# Altium PCB Mahdian_UIR.PcbDoc (part 2 of 3)
Units mm, origin at the board's own origin, x right, y up, seen from the top; angles counter-clockwise.
Board outline 116.21 x 95.88 mm, 2 copper layers (Top Layer, Bottom Layer); 77 components, 53 nets, 216 pads, 0 vias.
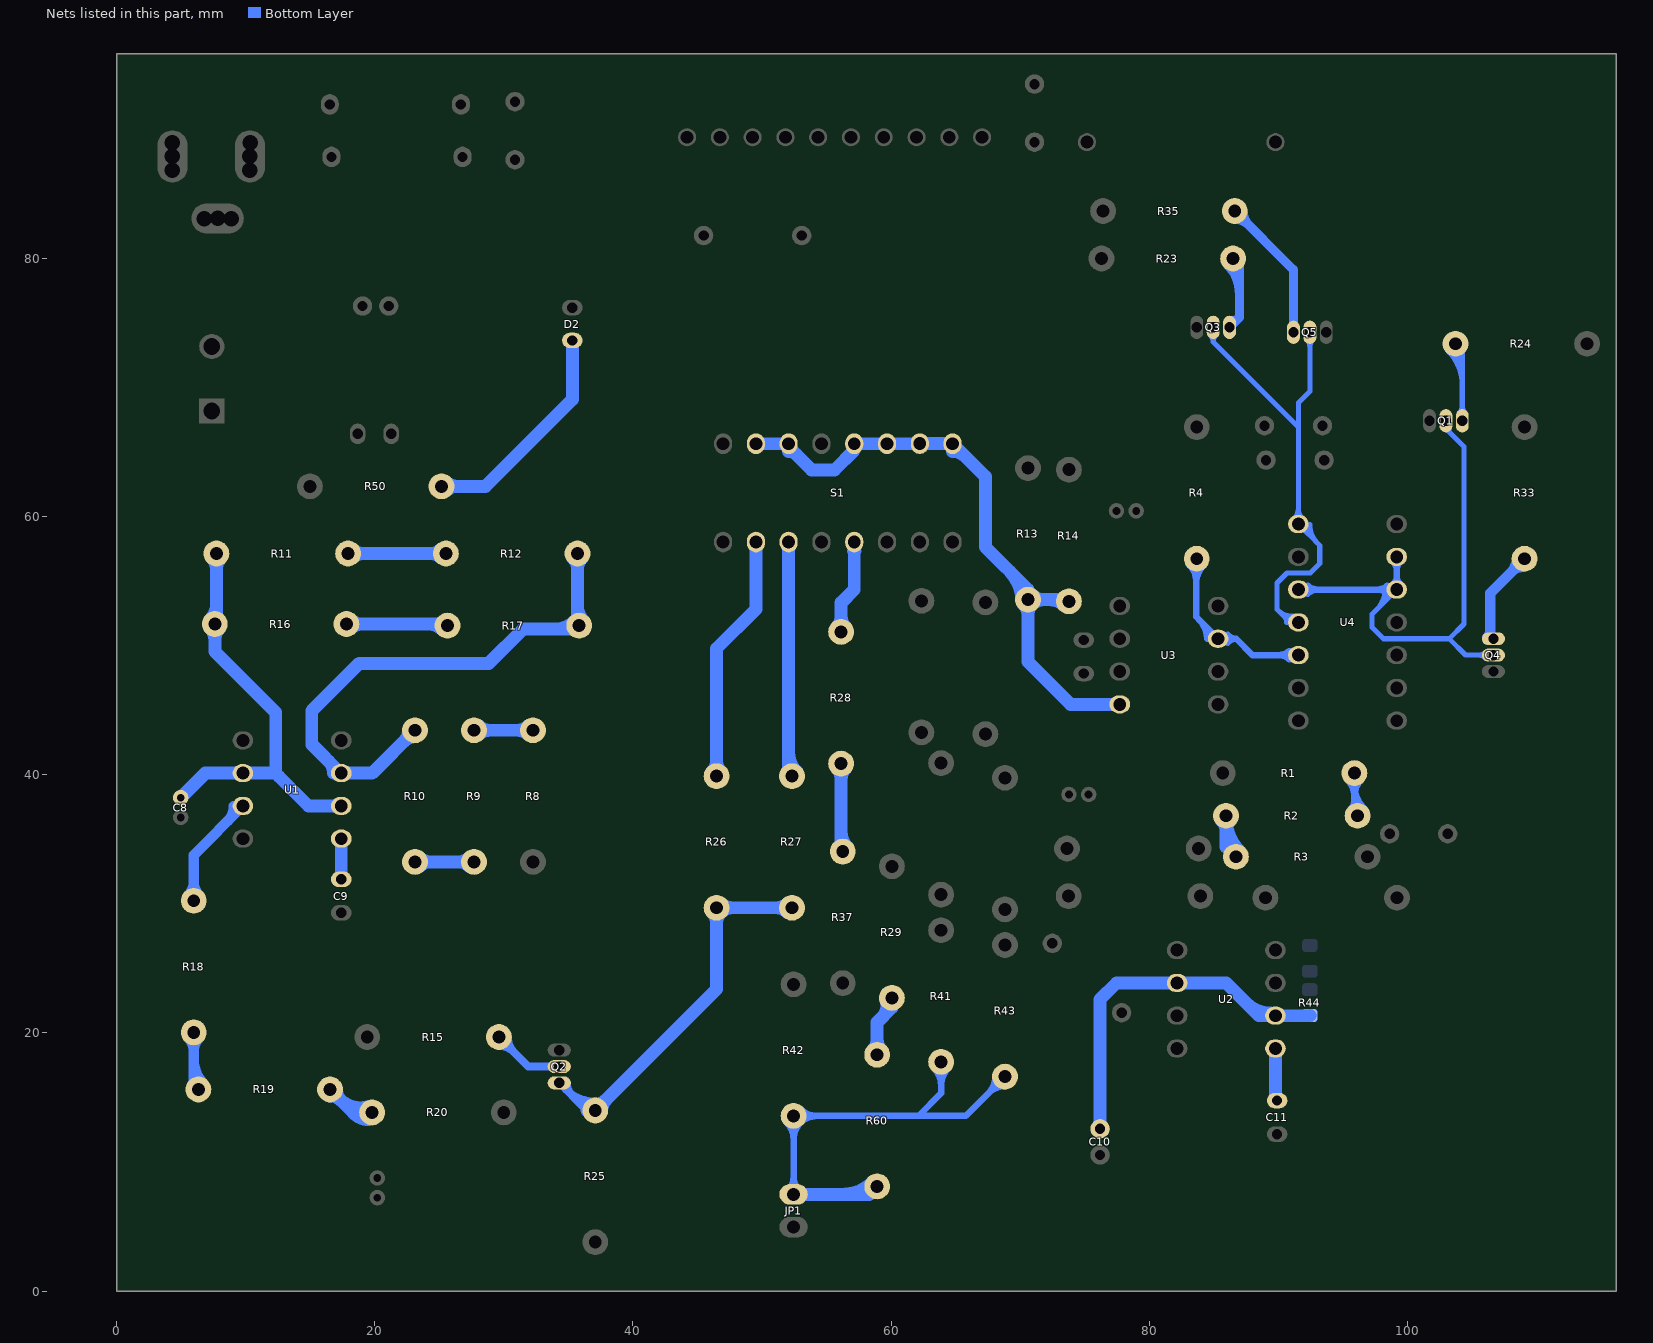
[diagram p2: the nets of this part, all layers, seen from the top]

## Nets (pads, with @x,y where several pads share a name; then routed paths per layer and width w, separated by ;. In a path a pad name is that pad's centre, name@x,y a point inside that pad or via, vN(x,y) a via of type N, cw(c..) or ccw(c..) an arc to the next point about the centre after c; other vN are vias at no path point) (continued)
NetC8_1: C8.1 R11.2 R16.2 U1.2 U1.6 | length 53.3
  Bottom Layer w1: C8.1@4.953,38.227 6.858,40.132 U1.2@9.779,40.132 12.319,40.132 12.319,44.831 7.6,49.55 R16.2@7.6,51.689 7.727,51.816 R11.2@7.727,57.15 ; 12.573,39.878 14.859,37.592 U1.6@17.399,37.592 ; R16.2@7.246,51.335 cw(c6.393,50.482) 7.6,50.482 ; R16.2@7.246,51.335 cw(c6.393,50.482) 7.6,50.482 ; R16.2@7.246,51.335 cw(c6.393,50.482) 7.6,50.482 ; R16.2@7.246,51.335 cw(c6.393,50.482) 7.6,50.482 ; R16.2@7.246,52.043 ccw(c6.086,53.203) 7.727,53.203 ; R16.2@7.246,52.043 ccw(c6.086,53.203) 7.727,53.203 ; R16.2@7.246,52.043 ccw(c6.086,53.203) 7.727,53.203 ; R16.2@7.246,52.043 ccw(c6.086,53.203) 7.727,53.203 ; R11.2@7.373,56.796 cw(c6.52,55.943) 7.727,55.943 ; R11.2@7.373,56.796 cw(c6.52,55.943) 7.727,55.943 ; R11.2@7.373,56.796 cw(c6.52,55.943) 7.727,55.943 ; R11.2@7.373,56.796 cw(c6.52,55.943) 7.727,55.943 ; 7.6,50.482 cw(c8.807,50.482) R16.2@7.954,51.335 ; 7.6,50.482 cw(c8.807,50.482) R16.2@7.954,51.335 ; 7.6,50.482 cw(c8.807,50.482) R16.2@7.954,51.335 ; 7.6,50.482 cw(c8.807,50.482) R16.2@7.954,51.335 ; 7.727,55.943 cw(c8.934,55.943) R11.2@8.081,56.796 ; 7.727,55.943 cw(c8.934,55.943) R11.2@8.081,56.796 ; 7.727,55.943 cw(c8.934,55.943) R11.2@8.081,56.796 ; 7.727,55.943 cw(c8.934,55.943) R11.2@8.081,56.796
NetC9_2: C9.2 U1.5 | length 3.1
  Bottom Layer w1: C9.2@17.399,31.907 U1.5@17.399,35.052
NetC10_1: C10.1 R44.1 U2.2 U2.6 | length 36
  Bottom Layer w1: C10.1@76.2,12.573 76.2,22.606 77.47,23.876 U2.2@82.169,23.876 85.979,23.876 88.519,21.336 U2.6@89.789,21.336 92.44,21.336 R44.1@92.456,21.352 ; 87.562,22.293 ccw(c89.389,24.119) U2.6@89.389,21.536 ; 87.562,22.293 ccw(c89.389,24.119) U2.6@89.389,21.536 ; 87.562,22.293 ccw(c89.389,24.119) U2.6@89.389,21.536 ; 87.562,22.293 ccw(c89.389,24.119) U2.6@89.389,21.536
NetC11_2: C11.2 U2.5 | length 4.1
  Bottom Layer w1: U2.5@89.789,18.796 89.789,14.889 C11.2@89.916,14.762
NetD2_2: D2.2 R50.1 | length 25.1
  Bottom Layer w1: R50.1@25.166,62.357 28.575,62.357 35.306,69.088 D2.2@35.306,73.66 ; R50.1@25.52,62.003 cw(c26.373,61.15) 26.373,62.357 ; R50.1@25.52,62.003 cw(c26.373,61.15) 26.373,62.357 ; R50.1@25.52,62.003 cw(c26.373,61.15) 26.373,62.357 ; R50.1@25.52,62.003 cw(c26.373,61.15) 26.373,62.357 ; R50.1@25.52,62.711 ccw(c26.373,63.564) 26.373,62.357 ; R50.1@25.52,62.711 ccw(c26.373,63.564) 26.373,62.357 ; R50.1@25.52,62.711 ccw(c26.373,63.564) 26.373,62.357 ; R50.1@25.52,62.711 ccw(c26.373,63.564) 26.373,62.357
NetJP1_2: JP1.2 R41.1 R42.1 R43.1 R60.1 | length 91.8
  Bottom Layer w0.5: JP1.2@52.451,7.493 R42.1@52.451,13.569 57.023,13.569 62.123,13.569 62.143,13.589 ; R41.1@63.881,17.76 63.881,15.327 62.143,13.589 ; R43.1@68.834,16.617 65.806,13.589 62.143,13.589 ; R42.1@51.921,13.039 cw(c50.64,11.758) 52.451,11.758 ; R42.1@51.921,13.039 cw(c50.64,11.758) 52.451,11.758 ; R42.1@51.921,13.039 cw(c50.64,11.758) 52.451,11.758 ; R42.1@51.921,13.039 cw(c50.64,11.758) 52.451,11.758 ; JP1.2@52.062,7.882 ccw(c51.123,8.821) 52.451,8.821 ; JP1.2@52.062,7.882 ccw(c51.123,8.821) 52.451,8.821 ; JP1.2@52.062,7.882 ccw(c51.123,8.821) 52.451,8.821 ; JP1.2@52.062,7.882 ccw(c51.123,8.821) 52.451,8.821 ; 52.451,8.821 ccw(c53.779,8.821) JP1.2@52.84,7.882 ; 52.451,8.821 ccw(c53.779,8.821) JP1.2@52.84,7.882 ; 52.451,8.821 ccw(c53.779,8.821) JP1.2@52.84,7.882 ; 52.451,8.821 ccw(c53.779,8.821) JP1.2@52.84,7.882 ; 52.451,11.758 cw(c54.262,11.758) R42.1@52.981,13.039 ; 52.451,11.758 cw(c54.262,11.758) R42.1@52.981,13.039 ; 52.451,11.758 cw(c54.262,11.758) R42.1@52.981,13.039 ; 52.451,11.758 cw(c54.262,11.758) R42.1@52.981,13.039 ; R42.1@52.981,13.039 cw(c54.262,11.758) 54.262,13.569 ; R42.1@52.981,13.039 cw(c54.262,11.758) 54.262,13.569 ; R42.1@52.981,13.039 cw(c54.262,11.758) 54.262,13.569 ; R42.1@52.981,13.039 cw(c54.262,11.758) 54.262,13.569 ; R42.1@52.981,14.099 ccw(c54.262,15.38) 54.262,13.569 ; R42.1@52.981,14.099 ccw(c54.262,15.38) 54.262,13.569 ; R42.1@52.981,14.099 ccw(c54.262,15.38) 54.262,13.569 ; R42.1@52.981,14.099 ccw(c54.262,15.38) 54.262,13.569 ; R41.1@63.351,17.23 cw(c62.07,15.949) 63.881,15.949 ; R41.1@63.351,17.23 cw(c62.07,15.949) 63.881,15.949 ; R41.1@63.351,17.23 cw(c62.07,15.949) 63.881,15.949 ; R41.1@63.351,17.23 cw(c62.07,15.949) 63.881,15.949 ; 63.881,15.949 cw(c65.692,15.949) R41.1@64.411,17.23 ; 63.881,15.949 cw(c65.692,15.949) R41.1@64.411,17.23 ; 63.881,15.949 cw(c65.692,15.949) R41.1@64.411,17.23 ; 63.881,15.949 cw(c65.692,15.949) R41.1@64.411,17.23 ; 67.554,15.337 cw(c68.834,14.056) R43.1@68.834,15.867 ; 67.554,15.337 ccw(c66.273,16.617) R43.1@68.084,16.617 ; 67.554,15.337 cw(c68.834,14.056) R43.1@68.834,15.867 ; 67.554,15.337 ccw(c66.273,16.617) R43.1@68.084,16.617 ; 67.554,15.337 cw(c68.834,14.056) R43.1@68.834,15.867 ; 67.554,15.337 ccw(c66.273,16.617) R43.1@68.084,16.617 ; 67.554,15.337 ccw(c66.273,16.617) R43.1@68.084,16.617 ; 67.554,15.337 cw(c68.834,14.056) R43.1@68.834,15.867
  Bottom Layer w1: JP1.2@52.451,7.493 58.313,7.493 R60.1@58.928,8.108 ; 56.236,7.493 ccw(c56.236,10.8) R60.1@58.574,8.462
NetQ1_1: Q1.1 R24.2 | length 36.8
  Bottom Layer w0.4: Q1.1@104.267,67.437 104.267,72.878 R24.2@103.739,73.406 ; R24.2@103.173,72.84 cw(c100.533,70.2) 104.267,70.2 ; R24.2@103.173,72.84 cw(c100.533,70.2) 104.267,70.2 ; R24.2@103.173,72.84 cw(c100.533,70.2) 104.267,70.2 ; R24.2@103.173,72.84 cw(c100.533,70.2) 104.267,70.2 ; R24.2@103.456,73.123 cw(c101.499,71.166) 104.267,71.166 ; R24.2@103.456,73.123 cw(c101.499,71.166) 104.267,71.166 ; R24.2@103.456,73.123 cw(c101.499,71.166) 104.267,71.166 ; R24.2@103.456,73.123 cw(c101.499,71.166) 104.267,71.166 ; R24.2@103.739,73.406 cw(c102.464,72.131) 104.267,72.131 ; R24.2@103.739,73.406 cw(c102.464,72.131) 104.267,72.131 ; R24.2@103.739,73.406 cw(c102.464,72.131) 104.267,72.131 ; R24.2@103.739,73.406 cw(c102.464,72.131) 104.267,72.131 ; Q1.1@104.055,68.049 ccw(c103.543,68.561) 104.267,68.561 ; Q1.1@104.055,68.049 ccw(c103.543,68.561) 104.267,68.561 ; Q1.1@104.055,68.049 ccw(c103.543,68.561) 104.267,68.561 ; Q1.1@104.055,68.049 ccw(c103.543,68.561) 104.267,68.561 ; 104.267,68.561 ccw(c104.991,68.561) Q1.1@104.479,68.049 ; 104.267,68.561 ccw(c104.991,68.561) Q1.1@104.479,68.049 ; 104.267,68.561 ccw(c104.991,68.561) Q1.1@104.479,68.049 ; 104.267,68.561 ccw(c104.991,68.561) Q1.1@104.479,68.049
NetQ1_2: Q1.2 Q4.2 U4.3 U4.12 U4.13 | length 85.3
  Bottom Layer w0.4: U4.3@92.321,54.002 cw(c93.174,53.149) 93.174,54.356 cw(c93.174,55.563) U4.3@92.321,54.71 ; U4.12@98.433,54.002 ccw(c97.58,53.149) 97.58,54.356 ccw(c97.58,55.563) U4.12@98.433,54.71 ; U4.12@98.833,54.71 ccw(c97.98,55.563) 99.187,55.563 ccw(c100.394,55.563) U4.12@99.541,54.71 ; U4.13@98.833,56.542 cw(c97.98,55.689) 99.187,55.689 cw(c100.394,55.689) U4.13@99.541,56.542 ; U4.12@99.187,54.356 97.282,52.451 97.282,51.435 98.171,50.546 103.251,50.546 ; Q1.2@102.997,67.437 103.217,67.217 103.217,66.602 104.394,65.425 104.394,51.689 103.251,50.546 ; Q4.2@106.68,49.276 104.521,49.276 103.251,50.546 ; 97.651,52.82 ccw(c96.114,54.356) U4.12@98.287,54.356 ; 97.651,52.82 ccw(c96.114,54.356) U4.12@98.287,54.356 ; 97.651,52.82 ccw(c96.114,54.356) U4.12@98.287,54.356 ; 97.651,52.82 ccw(c96.114,54.356) U4.12@98.287,54.356 ; 98.333,53.502 ccw(c97.48,54.356) U4.12@98.687,54.356 ; 98.333,53.502 ccw(c97.48,54.356) U4.12@98.687,54.356 ; 98.333,53.502 ccw(c97.48,54.356) U4.12@98.687,54.356 ; 98.333,53.502 ccw(c97.48,54.356) U4.12@98.687,54.356 ; 105.556,49.276 cw(c105.556,48.552) Q4.2@106.068,49.064 ; 105.556,49.276 ccw(c105.556,50) Q4.2@106.068,49.488 ; 105.556,49.276 cw(c105.556,48.552) Q4.2@106.068,49.064 ; 105.556,49.276 ccw(c105.556,50) Q4.2@106.068,49.488 ; 105.556,49.276 cw(c105.556,48.552) Q4.2@106.068,49.064 ; 105.556,49.276 ccw(c105.556,50) Q4.2@106.068,49.488 ; 105.556,49.276 ccw(c105.556,50) Q4.2@106.068,49.488 ; 105.556,49.276 cw(c105.556,48.552) Q4.2@106.068,49.064
  Bottom Layer w0.5: U4.3@91.567,54.356 U4.12@99.187,54.356 U4.13@99.187,56.896 ; U4.3@92.285,54.038 cw(c93.053,53.27) 93.053,54.356 ; U4.3@92.285,54.038 cw(c93.053,53.27) 93.053,54.356 ; U4.3@92.285,54.038 cw(c93.053,53.27) 93.053,54.356 ; U4.3@92.285,54.674 ccw(c93.053,55.442) 93.053,54.356 ; U4.3@92.285,54.674 ccw(c93.053,55.442) 93.053,54.356 ; U4.3@92.285,54.674 ccw(c93.053,55.442) 93.053,54.356 ; 97.701,54.356 cw(c97.701,53.27) U4.12@98.469,54.038 ; 97.701,54.356 ccw(c97.701,55.442) U4.12@98.469,54.674 ; 97.701,54.356 cw(c97.701,53.27) U4.12@98.469,54.038 ; 97.701,54.356 ccw(c97.701,55.442) U4.12@98.469,54.674 ; 97.701,54.356 ccw(c97.701,55.442) U4.12@98.469,54.674 ; 97.701,54.356 cw(c97.701,53.27) U4.12@98.469,54.038 ; U4.12@98.869,54.674 ccw(c98.101,55.442) 99.187,55.442 ; U4.12@98.869,54.674 ccw(c98.101,55.442) 99.187,55.442 ; U4.12@98.869,54.674 ccw(c98.101,55.442) 99.187,55.442 ; U4.13@98.869,56.578 cw(c98.101,55.81) 99.187,55.81 ; U4.13@98.869,56.578 cw(c98.101,55.81) 99.187,55.81 ; U4.13@98.869,56.578 cw(c98.101,55.81) 99.187,55.81 ; 99.187,55.442 ccw(c100.273,55.442) U4.12@99.505,54.674 ; 99.187,55.442 ccw(c100.273,55.442) U4.12@99.505,54.674 ; 99.187,55.442 ccw(c100.273,55.442) U4.12@99.505,54.674 ; 99.187,55.81 cw(c100.273,55.81) U4.13@99.505,56.578 ; 99.187,55.81 cw(c100.273,55.81) U4.13@99.505,56.578 ; 99.187,55.81 cw(c100.273,55.81) U4.13@99.505,56.578
NetQ2_1: Q2.1 R25.2 R26.1 R27.1 | length 80
  Bottom Layer w0.6: Q2.1@34.29,16.129 R25.2@36.429,13.99 ; Q2.1@34.771,15.648 ccw(c37.084,17.961) R25.2@37.084,14.69 ; Q2.1@34.771,15.648 ccw(c37.084,17.961) R25.2@37.084,14.69 ; Q2.1@34.771,15.648 ccw(c37.084,17.961) R25.2@37.084,14.69 ; Q2.1@34.771,15.648 ccw(c37.084,17.961) R25.2@37.084,14.69 ; Q2.1@34.89,16.129 ccw(c36.339,16.129) 35.314,15.105 ; Q2.1@34.89,16.129 ccw(c36.339,16.129) 35.314,15.105 ; Q2.1@34.89,16.129 ccw(c36.339,16.129) 35.314,15.105 ; Q2.1@34.89,16.129 ccw(c36.339,16.129) 35.314,15.105 ; 35.795,14.624 ccw(c37.084,15.913) R25.2@37.084,14.09 ; 35.795,14.624 ccw(c37.084,15.913) R25.2@37.084,14.09 ; 35.795,14.624 ccw(c37.084,15.913) R25.2@37.084,14.09 ; 35.795,14.624 ccw(c37.084,15.913) R25.2@37.084,14.09
  Bottom Layer w1: R25.2@36.429,13.99 R25.2@37.084,13.99 46.482,23.388 R26.1@46.482,29.698 R27.1@52.324,29.698 ; R25.2@37.084,14.49 ccw(c37.084,15.697) 37.938,14.844 ; R25.2@37.084,14.49 ccw(c37.084,15.697) 37.938,14.844 ; R25.2@37.084,14.49 ccw(c37.084,15.697) 37.938,14.844 ; R25.2@37.084,14.49 ccw(c37.084,15.697) 37.938,14.844 ; R25.2@37.584,13.99 cw(c38.791,13.99) 37.938,14.844 ; R25.2@37.584,13.99 cw(c38.791,13.99) 37.938,14.844 ; R25.2@37.584,13.99 cw(c38.791,13.99) 37.938,14.844 ; R25.2@37.584,13.99 cw(c38.791,13.99) 37.938,14.844 ; R26.1@46.128,29.344 cw(c45.275,28.491) 46.482,28.491 ; R26.1@46.128,29.344 cw(c45.275,28.491) 46.482,28.491 ; R26.1@46.128,29.344 cw(c45.275,28.491) 46.482,28.491 ; R26.1@46.128,29.344 cw(c45.275,28.491) 46.482,28.491 ; 46.482,28.491 cw(c47.689,28.491) R26.1@46.836,29.344 ; 46.482,28.491 cw(c47.689,28.491) R26.1@46.836,29.344 ; 46.482,28.491 cw(c47.689,28.491) R26.1@46.836,29.344 ; 46.482,28.491 cw(c47.689,28.491) R26.1@46.836,29.344 ; R26.1@46.836,29.344 cw(c47.689,28.491) 47.689,29.698 ; R26.1@46.836,29.344 cw(c47.689,28.491) 47.689,29.698 ; R26.1@46.836,29.344 cw(c47.689,28.491) 47.689,29.698 ; R26.1@46.836,29.344 cw(c47.689,28.491) 47.689,29.698 ; R26.1@46.836,30.052 ccw(c47.689,30.905) 47.689,29.698 ; R26.1@46.836,30.052 ccw(c47.689,30.905) 47.689,29.698 ; R26.1@46.836,30.052 ccw(c47.689,30.905) 47.689,29.698 ; R26.1@46.836,30.052 ccw(c47.689,30.905) 47.689,29.698 ; 51.117,29.698 cw(c51.117,28.491) R27.1@51.97,29.344 ; 51.117,29.698 ccw(c51.117,30.905) R27.1@51.97,30.052 ; 51.117,29.698 cw(c51.117,28.491) R27.1@51.97,29.344 ; 51.117,29.698 ccw(c51.117,30.905) R27.1@51.97,30.052 ; 51.117,29.698 cw(c51.117,28.491) R27.1@51.97,29.344 ; 51.117,29.698 ccw(c51.117,30.905) R27.1@51.97,30.052 ; 51.117,29.698 ccw(c51.117,30.905) R27.1@51.97,30.052 ; 51.117,29.698 cw(c51.117,28.491) R27.1@51.97,29.344
NetQ2_2: Q2.2 R15.2 | length 16.2
  Bottom Layer w0.6: R15.2@29.611,19.685 31.897,17.399 Q2.2@34.29,17.399 ; R15.2@29.611,18.985 cw(c29.611,17.295) 30.806,18.49 ; R15.2@29.611,18.985 cw(c29.611,17.295) 30.806,18.49 ; R15.2@29.611,18.985 cw(c29.611,17.295) 30.806,18.49 ; R15.2@29.611,18.985 cw(c29.611,17.295) 30.806,18.49 ; R15.2@30.311,19.685 ccw(c32.001,19.685) 30.806,18.49 ; R15.2@30.311,19.685 ccw(c32.001,19.685) 30.806,18.49 ; R15.2@30.311,19.685 ccw(c32.001,19.685) 30.806,18.49 ; R15.2@30.311,19.685 ccw(c32.001,19.685) 30.806,18.49
NetQ3_1: Q3.1 R23.2 | length 24
  Bottom Layer w0.7: Q3.1@86.233,74.676 86.995,75.438 ; R23.2@86.507,80.01 86.995,79.522 86.995,75.438 ; R23.2@86.047,79.55 cw(c83.76,77.263) 86.995,77.263 ; R23.2@86.047,79.55 cw(c83.76,77.263) 86.995,77.263 ; R23.2@86.047,79.55 cw(c83.76,77.263) 86.995,77.263 ; R23.2@86.047,79.55 cw(c83.76,77.263) 86.995,77.263 ; Q3.1@86.265,75.223 ccw(c86.432,76.001) 86.995,75.438 ; Q3.1@86.265,75.223 ccw(c86.432,76.001) 86.995,75.438 ; Q3.1@86.265,75.223 ccw(c86.432,76.001) 86.995,75.438 ; Q3.1@86.265,75.223 ccw(c86.432,76.001) 86.995,75.438 ; R23.2@86.542,80.045 cw(c85.45,78.953) 86.995,78.953 ; R23.2@86.542,80.045 cw(c85.45,78.953) 86.995,78.953 ; R23.2@86.542,80.045 cw(c85.45,78.953) 86.995,78.953 ; R23.2@86.542,80.045 cw(c85.45,78.953) 86.995,78.953
NetQ3_2: Q3.2 Q5.2 U4.1 U4.4 | length 70.8
  Bottom Layer w0.4: Q3.2@84.963,74.676 84.963,73.533 91.567,66.929 ; U4.4@91.567,51.816 90.932,51.816 89.917,52.831 89.917,54.874 90.689,55.646 92.485,55.646 93.218,56.379 93.218,57.785 U4.1@91.567,59.436 91.567,66.929 ; Q5.2@92.456,74.295 92.456,69.723 91.567,68.834 91.567,66.929 ; Q3.2@84.751,74.064 cw(c84.239,73.552) 84.963,73.552 ; Q3.2@84.751,74.064 cw(c84.239,73.552) 84.963,73.552 ; Q3.2@84.751,74.064 cw(c84.239,73.552) 84.963,73.552 ; Q3.2@84.751,74.064 cw(c84.239,73.552) 84.963,73.552 ; 84.963,73.552 cw(c85.687,73.552) Q3.2@85.175,74.064 ; 84.963,73.552 cw(c85.687,73.552) Q3.2@85.175,74.064 ; 84.963,73.552 cw(c85.687,73.552) Q3.2@85.175,74.064 ; 84.963,73.552 cw(c85.687,73.552) Q3.2@85.175,74.064 ; 90.035,52.713 ccw(c91.01,53.689) U4.4@91.125,52.314 ; 90.035,52.713 ccw(c91.01,53.689) U4.4@91.125,52.314 ; 90.035,52.713 ccw(c91.01,53.689) U4.4@91.125,52.314 ; 90.035,52.713 ccw(c91.01,53.689) U4.4@91.125,52.314 ; 90.48,52.268 cw(c90.027,51.816) U4.4@90.667,51.816 ; 90.48,52.268 cw(c90.027,51.816) U4.4@90.667,51.816 ; 90.48,52.268 cw(c90.027,51.816) U4.4@90.667,51.816 ; 90.48,52.268 cw(c90.027,51.816) U4.4@90.667,51.816 ; U4.1@91.213,59.79 ccw(c90.36,60.643) 91.567,60.643 ; U4.1@91.213,59.79 ccw(c90.36,60.643) 91.567,60.643 ; U4.1@91.213,59.79 ccw(c90.36,60.643) 91.567,60.643 ; U4.1@91.213,59.79 ccw(c90.36,60.643) 91.567,60.643 ; 91.567,60.643 ccw(c92.774,60.643) U4.1@91.921,59.79 ; 91.567,60.643 ccw(c92.774,60.643) U4.1@91.921,59.79 ; 91.567,60.643 ccw(c92.774,60.643) U4.1@91.921,59.79 ; 91.567,60.643 ccw(c92.774,60.643) U4.1@91.921,59.79 ; U4.1@92.067,59.431 ccw(c93.135,59.38) 92.379,58.624 ; U4.1@92.067,59.431 ccw(c93.135,59.38) 92.379,58.624 ; U4.1@92.067,59.431 ccw(c93.135,59.38) 92.379,58.624 ; U4.1@92.067,59.431 ccw(c93.135,59.38) 92.379,58.624 ; Q5.2@92.244,73.683 cw(c91.732,73.171) 92.456,73.171 ; Q5.2@92.244,73.683 cw(c91.732,73.171) 92.456,73.171 ; Q5.2@92.244,73.683 cw(c91.732,73.171) 92.456,73.171 ; Q5.2@92.244,73.683 cw(c91.732,73.171) 92.456,73.171 ; 92.456,73.171 cw(c93.18,73.171) Q5.2@92.668,73.683 ; 92.456,73.171 cw(c93.18,73.171) Q5.2@92.668,73.683 ; 92.456,73.171 cw(c93.18,73.171) Q5.2@92.668,73.683 ; 92.456,73.171 cw(c93.18,73.171) Q5.2@92.668,73.683 ; U4.1@92.466,59.412 ccw(c94.355,59.322) 93.018,57.985 ; U4.1@92.466,59.412 ccw(c94.355,59.322) 93.018,57.985 ; U4.1@92.466,59.412 ccw(c94.355,59.322) 93.018,57.985 ; U4.1@92.466,59.412 ccw(c94.355,59.322) 93.018,57.985
NetQ4_1: Q4.1 R33.1 | length 18.9
  Bottom Layer w0.4: Q4.1@106.68,50.546 Q4.1@106.7,50.526
  Bottom Layer w0.8: Q4.1@106.68,50.546 106.426,50.8 106.426,54.082 R33.1@109.093,56.749 ; Q4.1@106.209,50.617 ccw(c105.686,51.14) 106.426,51.14 ; Q4.1@106.209,50.617 ccw(c105.686,51.14) 106.426,51.14 ; Q4.1@106.209,50.617 ccw(c105.686,51.14) 106.426,51.14 ; Q4.1@106.209,50.617 ccw(c105.686,51.14) 106.426,51.14 ; 108.069,55.725 cw(c109.093,54.7) R33.1@109.093,56.149 ; 108.069,55.725 ccw(c107.044,56.749) R33.1@108.493,56.749 ; 108.069,55.725 cw(c109.093,54.7) R33.1@109.093,56.149 ; 108.069,55.725 ccw(c107.044,56.749) R33.1@108.493,56.749 ; 108.069,55.725 cw(c109.093,54.7) R33.1@109.093,56.149 ; 108.069,55.725 ccw(c107.044,56.749) R33.1@108.493,56.749 ; 108.069,55.725 ccw(c107.044,56.749) R33.1@108.493,56.749 ; 108.069,55.725 cw(c109.093,54.7) R33.1@109.093,56.149
NetQ5_1: Q5.1 R35.1 | length 21.1
  Bottom Layer w0.7: R35.1@86.634,83.693 91.186,79.141 Q5.1@91.186,74.295 ; R35.1@86.634,83.043 cw(c86.634,81.474) 87.744,82.583 ; R35.1@86.634,83.043 cw(c86.634,81.474) 87.744,82.583 ; R35.1@86.634,83.043 cw(c86.634,81.474) 87.744,82.583 ; R35.1@86.634,83.043 cw(c86.634,81.474) 87.744,82.583 ; R35.1@87.284,83.693 ccw(c88.853,83.693) 87.744,82.583 ; R35.1@87.284,83.693 ccw(c88.853,83.693) 87.744,82.583 ; R35.1@87.284,83.693 ccw(c88.853,83.693) 87.744,82.583 ; R35.1@87.284,83.693 ccw(c88.853,83.693) 87.744,82.583
NetR1_2: R1.2 R2.1 | length 30.8
  Bottom Layer w0.5: R1.2@95.905,40.132 95.905,37.084 R2.1@96.159,36.83 ; R1.2@95.375,39.602 cw(c94.094,38.321) 95.905,38.321 ; R1.2@95.375,39.602 cw(c94.094,38.321) 95.905,38.321 ; R1.2@95.375,39.602 cw(c94.094,38.321) 95.905,38.321 ; R1.2@95.375,39.602 cw(c94.094,38.321) 95.905,38.321 ; R2.1@95.629,37.36 ccw(c94.962,38.027) 95.905,38.027 ; R2.1@95.629,37.36 ccw(c94.962,38.027) 95.905,38.027 ; R2.1@95.629,37.36 ccw(c94.962,38.027) 95.905,38.027 ; R2.1@95.629,37.36 ccw(c94.962,38.027) 95.905,38.027 ; 95.905,38.047 ccw(c97.376,38.047) R2.1@96.336,37.007 ; 95.905,38.047 ccw(c97.376,38.047) R2.1@96.336,37.007 ; 95.905,38.047 ccw(c97.376,38.047) R2.1@96.336,37.007 ; 95.905,38.047 ccw(c97.376,38.047) R2.1@96.336,37.007 ; 95.905,38.321 cw(c97.716,38.321) R1.2@96.435,39.602 ; 95.905,38.321 cw(c97.716,38.321) R1.2@96.435,39.602 ; 95.905,38.321 cw(c97.716,38.321) R1.2@96.435,39.602 ; 95.905,38.321 cw(c97.716,38.321) R1.2@96.435,39.602 ; R1.2@95.905,39.254 ccw(c98.583,39.254) R2.1@96.689,37.36 ; R1.2@95.905,39.254 ccw(c98.583,39.254) R2.1@96.689,37.36 ; R1.2@95.905,39.254 ccw(c98.583,39.254) R2.1@96.689,37.36 ; R1.2@95.905,39.254 ccw(c98.583,39.254) R2.1@96.689,37.36
NetR2_2: R2.2 R3.1 | length 23
  Bottom Layer w1: R2.2@85.959,36.83 85.959,34.417 R3.1@86.721,33.655 ; R2.2@85.605,36.476 cw(c84.752,35.623) 85.959,35.623 ; R2.2@85.605,36.476 cw(c84.752,35.623) 85.959,35.623 ; R2.2@85.605,36.476 cw(c84.752,35.623) 85.959,35.623 ; R2.2@85.605,36.476 cw(c84.752,35.623) 85.959,35.623 ; 85.959,35.623 cw(c87.166,35.623) R2.2@86.313,36.476 ; 85.959,35.623 cw(c87.166,35.623) R2.2@86.313,36.476 ; 85.959,35.623 cw(c87.166,35.623) R2.2@86.313,36.476 ; 85.959,35.623 cw(c87.166,35.623) R2.2@86.313,36.476 ; R2.2@85.959,36.702 ccw(c89.768,36.702) R3.1@87.075,34.009 ; R2.2@85.959,36.702 ccw(c89.768,36.702) R3.1@87.075,34.009 ; R2.2@85.959,36.702 ccw(c89.768,36.702) R3.1@87.075,34.009 ; R2.2@85.959,36.702 ccw(c89.768,36.702) R3.1@87.075,34.009
NetR4_1: R4.1 U3.7 U4.5 | length 44.3
  Bottom Layer w0.5: R4.1@83.693,56.749 83.644,56.749 83.644,52.246 U3.7@85.344,50.546 86.741,50.546 ; U4.5@91.567,49.276 88.011,49.276 86.741,50.546 ; R4.1@83.163,56.219 cw(c82.001,55.057) 83.644,55.057 ; R4.1@83.163,56.219 cw(c82.001,55.057) 83.644,55.057 ; R4.1@83.163,56.219 cw(c82.001,55.057) 83.644,55.057 ; R4.1@83.163,56.219 cw(c82.001,55.057) 83.644,55.057 ; 83.644,54.82 cw(c85.622,54.82) R4.1@84.223,56.219 ; 83.644,54.82 cw(c85.622,54.82) R4.1@84.223,56.219 ; 83.644,54.82 cw(c85.622,54.82) R4.1@84.223,56.219 ; 83.644,54.82 cw(c85.622,54.82) R4.1@84.223,56.219 ; 83.893,51.997 cw(c82.442,50.546) U3.7@84.494,50.546 ; 83.893,51.997 cw(c82.442,50.546) U3.7@84.494,50.546 ; 83.893,51.997 cw(c82.442,50.546) U3.7@84.494,50.546 ; 83.893,51.997 cw(c82.442,50.546) U3.7@84.494,50.546 ; U3.7@86.081,50.248 cw(c86.741,49.667) 86.741,50.546 ; U3.7@86.081,50.248 cw(c86.741,49.667) 86.741,50.546 ; U3.7@86.081,50.248 cw(c86.741,49.667) 86.741,50.546 ; U3.7@86.081,50.248 cw(c86.741,49.667) 86.741,50.546 ; U3.7@86.081,50.844 ccw(c86.741,51.425) 86.741,50.546 ; U3.7@86.081,50.844 ccw(c86.741,51.425) 86.741,50.546 ; U3.7@86.081,50.844 ccw(c86.741,51.425) 86.741,50.546 ; U3.7@86.081,50.844 ccw(c86.741,51.425) 86.741,50.546 ; 90.081,49.276 cw(c90.081,48.19) U4.5@90.849,48.958 ; 90.081,49.276 ccw(c90.081,50.362) U4.5@90.849,49.594 ; 90.081,49.276 cw(c90.081,48.19) U4.5@90.849,48.958 ; 90.081,49.276 ccw(c90.081,50.362) U4.5@90.849,49.594 ; 90.081,49.276 cw(c90.081,48.19) U4.5@90.849,48.958 ; 90.081,49.276 ccw(c90.081,50.362) U4.5@90.849,49.594 ; 90.081,49.276 ccw(c90.081,50.362) U4.5@90.849,49.594 ; 90.081,49.276 cw(c90.081,48.19) U4.5@90.849,48.958
NetR8_2: R8.2 R9.1 | length 19.7
  Bottom Layer w1: R9.1@27.686,43.454 R8.2@32.258,43.454 ; R9.1@28.04,43.1 cw(c28.893,42.247) 28.893,43.454 ; R9.1@28.04,43.1 cw(c28.893,42.247) 28.893,43.454 ; R9.1@28.04,43.1 cw(c28.893,42.247) 28.893,43.454 ; R9.1@28.04,43.1 cw(c28.893,42.247) 28.893,43.454 ; R9.1@28.04,43.808 ccw(c28.893,44.661) 28.893,43.454 ; R9.1@28.04,43.808 ccw(c28.893,44.661) 28.893,43.454 ; R9.1@28.04,43.808 ccw(c28.893,44.661) 28.893,43.454 ; R9.1@28.04,43.808 ccw(c28.893,44.661) 28.893,43.454 ; 31.051,43.454 cw(c31.051,42.247) R8.2@31.904,43.1 ; 31.051,43.454 ccw(c31.051,44.661) R8.2@31.904,43.808 ; 31.051,43.454 cw(c31.051,42.247) R8.2@31.904,43.1 ; 31.051,43.454 ccw(c31.051,44.661) R8.2@31.904,43.808 ; 31.051,43.454 cw(c31.051,42.247) R8.2@31.904,43.1 ; 31.051,43.454 ccw(c31.051,44.661) R8.2@31.904,43.808 ; 31.051,43.454 ccw(c31.051,44.661) R8.2@31.904,43.808 ; 31.051,43.454 cw(c31.051,42.247) R8.2@31.904,43.1
NetR9_2: R9.2 R10.1 | length 19.7
  Bottom Layer w1: R10.1@23.114,33.254 R9.2@27.686,33.254 ; R10.1@23.468,32.9 cw(c24.321,32.047) 24.321,33.254 ; R10.1@23.468,32.9 cw(c24.321,32.047) 24.321,33.254 ; R10.1@23.468,32.9 cw(c24.321,32.047) 24.321,33.254 ; R10.1@23.468,32.9 cw(c24.321,32.047) 24.321,33.254 ; R10.1@23.468,33.608 ccw(c24.321,34.461) 24.321,33.254 ; R10.1@23.468,33.608 ccw(c24.321,34.461) 24.321,33.254 ; R10.1@23.468,33.608 ccw(c24.321,34.461) 24.321,33.254 ; R10.1@23.468,33.608 ccw(c24.321,34.461) 24.321,33.254 ; 26.479,33.254 cw(c26.479,32.047) R9.2@27.332,32.9 ; 26.479,33.254 ccw(c26.479,34.461) R9.2@27.332,33.608 ; 26.479,33.254 cw(c26.479,32.047) R9.2@27.332,32.9 ; 26.479,33.254 ccw(c26.479,34.461) R9.2@27.332,33.608 ; 26.479,33.254 cw(c26.479,32.047) R9.2@27.332,32.9 ; 26.479,33.254 ccw(c26.479,34.461) R9.2@27.332,33.608 ; 26.479,33.254 ccw(c26.479,34.461) R9.2@27.332,33.608 ; 26.479,33.254 cw(c26.479,32.047) R9.2@27.332,32.9
NetR10_2: R10.2 R12.1 R17.1 U1.7 | length 73
  Bottom Layer w1: R10.2@23.114,43.454 19.792,40.132 U1.7@17.399,40.132 17.347,40.132 15.113,42.366 15.113,44.958 18.796,48.641 28.829,48.641 31.496,51.308 35.58,51.308 R17.1@35.834,51.562 35.707,51.689 R12.1@35.707,57.15 ; 16.412,41.067 cw(c15.476,40.132) U1.7@16.799,40.132 ; 16.412,41.067 cw(c15.476,40.132) U1.7@16.799,40.132 ; 16.412,41.067 cw(c15.476,40.132) U1.7@16.799,40.132 ; 16.412,41.067 cw(c15.476,40.132) U1.7@16.799,40.132 ; 22.26,42.6 cw(c23.114,41.747) R10.2@23.114,42.954 ; 22.26,42.6 ccw(c21.407,43.454) R10.2@22.614,43.454 ; 22.26,42.6 cw(c23.114,41.747) R10.2@23.114,42.954 ; 22.26,42.6 ccw(c21.407,43.454) R10.2@22.614,43.454 ; 22.26,42.6 cw(c23.114,41.747) R10.2@23.114,42.954 ; 22.26,42.6 ccw(c21.407,43.454) R10.2@22.614,43.454 ; 22.26,42.6 ccw(c21.407,43.454) R10.2@22.614,43.454 ; 22.26,42.6 cw(c23.114,41.747) R10.2@23.114,42.954 ; 34.014,51.308 ccw(c34.014,53.382) R17.1@35.48,51.916 ; 34.014,51.308 ccw(c34.014,53.382) R17.1@35.48,51.916 ; 34.014,51.308 ccw(c34.014,53.382) R17.1@35.48,51.916 ; 34.014,51.308 ccw(c34.014,53.382) R17.1@35.48,51.916 ; R12.1@35.353,56.796 cw(c34.5,55.943) 35.707,55.943 ; R12.1@35.353,56.796 cw(c34.5,55.943) 35.707,55.943 ; R12.1@35.353,56.796 cw(c34.5,55.943) 35.707,55.943 ; R12.1@35.353,56.796 cw(c34.5,55.943) 35.707,55.943 ; 35.707,53.076 ccw(c37.348,53.076) R17.1@36.188,51.916 ; 35.707,53.076 ccw(c37.348,53.076) R17.1@36.188,51.916 ; 35.707,53.076 ccw(c37.348,53.076) R17.1@36.188,51.916 ; 35.707,53.076 ccw(c37.348,53.076) R17.1@36.188,51.916 ; 35.707,55.943 cw(c36.914,55.943) R12.1@36.061,56.796 ; 35.707,55.943 cw(c36.914,55.943) R12.1@36.061,56.796 ; 35.707,55.943 cw(c36.914,55.943) R12.1@36.061,56.796 ; 35.707,55.943 cw(c36.914,55.943) R12.1@36.061,56.796
NetR11_1: R11.1 R12.2 | length 22.7
  Bottom Layer w1: R11.1@17.927,57.15 R12.2@25.507,57.15 ; R11.1@18.281,56.796 cw(c19.134,55.943) 19.134,57.15 ; R11.1@18.281,56.796 cw(c19.134,55.943) 19.134,57.15 ; R11.1@18.281,56.796 cw(c19.134,55.943) 19.134,57.15 ; R11.1@18.281,56.796 cw(c19.134,55.943) 19.134,57.15 ; R11.1@18.281,57.504 ccw(c19.134,58.357) 19.134,57.15 ; R11.1@18.281,57.504 ccw(c19.134,58.357) 19.134,57.15 ; R11.1@18.281,57.504 ccw(c19.134,58.357) 19.134,57.15 ; R11.1@18.281,57.504 ccw(c19.134,58.357) 19.134,57.15 ; 24.3,57.15 cw(c24.3,55.943) R12.2@25.153,56.796 ; 24.3,57.15 ccw(c24.3,58.357) R12.2@25.153,57.504 ; 24.3,57.15 cw(c24.3,55.943) R12.2@25.153,56.796 ; 24.3,57.15 ccw(c24.3,58.357) R12.2@25.153,57.504 ; 24.3,57.15 cw(c24.3,55.943) R12.2@25.153,56.796 ; 24.3,57.15 ccw(c24.3,58.357) R12.2@25.153,57.504 ; 24.3,57.15 ccw(c24.3,58.357) R12.2@25.153,57.504 ; 24.3,57.15 cw(c24.3,55.943) R12.2@25.153,56.796
NetR13_2: R13.2 R14.2 S1.1 S1.2 S1.3 S1.4 S1.6 S1.7 U3.4 | length 85.6
  Bottom Layer w1: S1.7@49.53,65.659 S1.6@52.07,65.659 52.07,65.405 53.848,63.627 55.626,63.627 57.15,65.151 S1.4@57.15,65.659 S1.3@59.69,65.659 62.22,65.659 S1.2@62.23,65.669 64.76,65.669 S1.1@64.77,65.659 67.31,63.119 67.31,57.658 70.612,54.356 R13.2@70.612,53.574 ; R14.2@73.787,53.447 73.66,53.574 R13.2@70.612,53.574 ; U3.4@77.724,45.466 73.914,45.466 70.612,48.768 R13.2@70.612,53.574 ; S1.6@52.07,65.059 cw(c52.07,64.224) 52.661,64.814 ; S1.6@52.07,65.059 cw(c52.07,64.224) 52.661,64.814 ; S1.6@52.07,65.059 cw(c52.07,64.224) 52.661,64.814 ; S1.6@52.07,65.059 cw(c52.07,64.224) 52.661,64.814 ; S1.1@64.77,65.059 cw(c64.77,63.61) 65.794,64.635 ; S1.1@64.77,65.059 cw(c64.77,63.61) 65.794,64.635 ; S1.1@64.77,65.059 cw(c64.77,63.61) 65.794,64.635 ; S1.1@64.77,65.059 cw(c64.77,63.61) 65.794,64.635 ; 69.205,55.763 cw(c67.017,53.574) R13.2@70.112,53.574 ; 69.205,55.763 cw(c67.017,53.574) R13.2@70.112,53.574 ; 69.205,55.763 cw(c67.017,53.574) R13.2@70.112,53.574 ; 69.205,55.763 cw(c67.017,53.574) R13.2@70.112,53.574 ; R13.2@70.258,53.22 cw(c69.405,52.367) 70.612,52.367 ; R13.2@70.258,53.22 cw(c69.405,52.367) 70.612,52.367 ; R13.2@70.258,53.22 cw(c69.405,52.367) 70.612,52.367 ; R13.2@70.258,53.22 cw(c69.405,52.367) 70.612,52.367 ; 70.612,52.367 cw(c71.819,52.367) R13.2@70.966,53.22 ; 70.612,52.367 cw(c71.819,52.367) R13.2@70.966,53.22 ; 70.612,52.367 cw(c71.819,52.367) R13.2@70.966,53.22 ; 70.612,52.367 cw(c71.819,52.367) R13.2@70.966,53.22 ; R13.2@70.966,53.22 cw(c71.819,52.367) 71.819,53.574 ; R13.2@70.966,53.22 cw(c71.819,52.367) 71.819,53.574 ; R13.2@70.966,53.22 cw(c71.819,52.367) 71.819,53.574 ; R13.2@70.966,53.22 cw(c71.819,52.367) 71.819,53.574 ; R13.2@70.966,53.928 ccw(c71.819,54.781) 71.819,53.574 ; R13.2@70.966,53.928 ccw(c71.819,54.781) 71.819,53.574 ; R13.2@70.966,53.928 ccw(c71.819,54.781) 71.819,53.574 ; R13.2@70.966,53.928 ccw(c71.819,54.781) 71.819,53.574 ; 72.273,53.574 cw(c72.273,51.933) R14.2@73.433,53.093 ; 72.273,53.574 cw(c72.273,51.933) R14.2@73.433,53.093 ; 72.273,53.574 cw(c72.273,51.933) R14.2@73.433,53.093 ; 72.273,53.574 cw(c72.273,51.933) R14.2@73.433,53.093
NetR16_1: R16.1 R17.2 | length 20.6
  Bottom Layer w1: R16.1@17.8,51.689 25.507,51.689 R17.2@25.634,51.562 ; R16.1@18.154,51.335 cw(c19.007,50.482) 19.007,51.689 ; R16.1@18.154,51.335 cw(c19.007,50.482) 19.007,51.689 ; R16.1@18.154,51.335 cw(c19.007,50.482) 19.007,51.689 ; R16.1@18.154,51.335 cw(c19.007,50.482) 19.007,51.689 ; R16.1@18.154,52.043 ccw(c19.007,52.896) 19.007,51.689 ; R16.1@18.154,52.043 ccw(c19.007,52.896) 19.007,51.689 ; R16.1@18.154,52.043 ccw(c19.007,52.896) 19.007,51.689 ; R16.1@18.154,52.043 ccw(c19.007,52.896) 19.007,51.689 ; 24.12,51.689 cw(c24.12,50.048) R17.2@25.28,51.208 ; 24.12,51.689 cw(c24.12,50.048) R17.2@25.28,51.208 ; 24.12,51.689 cw(c24.12,50.048) R17.2@25.28,51.208 ; 24.12,51.689 cw(c24.12,50.048) R17.2@25.28,51.208
NetR18_1: R18.1 U1.3 | length 23.3
  Bottom Layer w0.8: R18.1@5.969,30.246 5.969,33.782 U1.3@9.779,37.592 ; R18.1@5.545,30.67 ccw(c4.52,31.695) 5.969,31.695 ; R18.1@5.545,30.67 ccw(c4.52,31.695) 5.969,31.695 ; R18.1@5.545,30.67 ccw(c4.52,31.695) 5.969,31.695 ; R18.1@5.545,30.67 ccw(c4.52,31.695) 5.969,31.695 ; 5.969,31.695 ccw(c7.418,31.695) R18.1@6.393,30.67 ; 5.969,31.695 ccw(c7.418,31.695) R18.1@6.393,30.67 ; 5.969,31.695 ccw(c7.418,31.695) R18.1@6.393,30.67 ; 5.969,31.695 ccw(c7.418,31.695) R18.1@6.393,30.67 ; 8.584,36.397 ccw(c7.389,37.592) U1.3@9.079,37.592 ; 8.584,36.397 ccw(c7.389,37.592) U1.3@9.079,37.592 ; 8.584,36.397 ccw(c7.389,37.592) U1.3@9.079,37.592 ; 8.584,36.397 ccw(c7.389,37.592) U1.3@9.079,37.592
NetR18_2: R18.2 R19.1 | length 22.1
  Bottom Layer w0.8: R18.2@5.969,20.046 5.969,15.982 R19.1@6.33,15.621 ; R18.2@5.545,19.622 cw(c4.52,18.597) 5.969,18.597 ; R18.2@5.545,19.622 cw(c4.52,18.597) 5.969,18.597 ; R18.2@5.545,19.622 cw(c4.52,18.597) 5.969,18.597 ; R18.2@5.545,19.622 cw(c4.52,18.597) 5.969,18.597 ; 5.969,17.941 ccw(c8.65,17.941) R19.1@6.754,16.045 ; 5.969,17.941 ccw(c8.65,17.941) R19.1@6.754,16.045 ; 5.969,17.941 ccw(c8.65,17.941) R19.1@6.754,16.045 ; 5.969,17.941 ccw(c8.65,17.941) R19.1@6.754,16.045 ; 5.969,18.597 cw(c7.418,18.597) R18.2@6.393,19.622 ; 5.969,18.597 cw(c7.418,18.597) R18.2@6.393,19.622 ; 5.969,18.597 cw(c7.418,18.597) R18.2@6.393,19.622 ; 5.969,18.597 cw(c7.418,18.597) R18.2@6.393,19.622
NetR19_2: R19.2 R20.2 | length 20.8
  Bottom Layer w0.8: 18.308,13.843 R20.2@19.792,13.843 ; 18.343,13.843 cw(c18.343,12.394) 19.368,13.419 ccw(c18.343,12.394) 18.343,13.843 ; 18.343,13.843 ccw(c18.343,15.292) 19.368,14.267 cw(c18.343,15.292) 18.343,13.843
  Bottom Layer w1: R19.2@16.53,15.621 18.308,13.843 ; 17.384,14.767 cw(c18.237,15.621) 17.03,15.621 ccw(c18.237,15.621) 17.384,14.767 ; 17.384,14.767 ccw(c16.53,13.914) 16.53,15.121 cw(c16.53,13.914) 17.384,14.767 ; 17.272,14.879 ccw(c18.909,16.516) 19.635,14.318 cw(c18.909,16.516) 17.272,14.879 ; 18.42,13.731 ccw(c19.479,14.791) 19.949,13.368 cw(c19.479,14.791) 18.42,13.731
NetR26_2: R26.2 S1.10 | length 27
  Bottom Layer w1: R26.2@46.482,39.898 46.482,49.784 49.53,52.832 S1.10@49.53,58.039 ; R26.2@46.128,40.252 ccw(c45.275,41.105) 46.482,41.105 ; R26.2@46.128,40.252 ccw(c45.275,41.105) 46.482,41.105 ; R26.2@46.128,40.252 ccw(c45.275,41.105) 46.482,41.105 ; R26.2@46.128,40.252 ccw(c45.275,41.105) 46.482,41.105 ; 46.482,41.105 ccw(c47.689,41.105) R26.2@46.836,40.252 ; 46.482,41.105 ccw(c47.689,41.105) R26.2@46.836,40.252 ; 46.482,41.105 ccw(c47.689,41.105) R26.2@46.836,40.252 ; 46.482,41.105 ccw(c47.689,41.105) R26.2@46.836,40.252
NetR27_2: R27.2 S1.11 | length 24.8
  Bottom Layer w1: S1.11@52.07,58.039 52.07,40.152 R27.2@52.324,39.898 ; 52.07,41.718 ccw(c54.144,41.718) R27.2@52.678,40.252 ; 52.07,41.718 ccw(c54.144,41.718) R27.2@52.678,40.252 ; 52.07,41.718 ccw(c54.144,41.718) R27.2@52.678,40.252 ; 52.07,41.718 ccw(c54.144,41.718) R27.2@52.678,40.252
NetR28_1: R28.1 R37.2 | length 22.1
  Bottom Layer w0.5: R28.1@55.604,40.344 cw(c54.323,39.063) 56.134,39.063 cw(c57.945,39.063) R28.1@56.664,40.344 ; R37.2@55.731,34.586 ccw(c54.757,35.56) 56.134,35.56 ; R37.2@56.134,34.183 R37.2@56.261,34.056 ; 56.134,36.173 ccw(c58.378,36.173) R37.2@56.791,34.586
  Bottom Layer w1: R37.2@56.134,34.183 R28.1@56.134,40.874 ; R28.1@55.78,40.52 cw(c54.927,39.667) 56.134,39.667 ; R28.1@55.78,40.52 cw(c54.927,39.667) 56.134,39.667 ; R28.1@55.78,40.52 cw(c54.927,39.667) 56.134,39.667 ; 56.134,35.57 ccw(c57.775,35.57) R37.2@56.615,34.41 ; 56.134,35.57 ccw(c57.775,35.57) R37.2@56.615,34.41 ; 56.134,35.57 ccw(c57.775,35.57) R37.2@56.615,34.41 ; 56.134,39.667 cw(c57.341,39.667) R28.1@56.488,40.52 ; 56.134,39.667 cw(c57.341,39.667) R28.1@56.488,40.52 ; 56.134,39.667 cw(c57.341,39.667) R28.1@56.488,40.52
NetR28_2: R28.2 S1.13 | length 20.3
  Bottom Layer w0.5: 56.134,52.885 cw(c54.323,52.885) 55.604,51.604 ccw(c54.323,52.885) 56.134,52.885 ; 56.134,52.885 ccw(c57.945,52.885) 56.664,51.604 cw(c57.945,52.885) 56.134,52.885 ; 57.15,56.553 cw(c58.236,56.553) 57.468,57.321 ccw(c58.236,56.553) 57.15,56.553 ; 57.15,56.553 ccw(c56.064,56.553) 56.832,57.321 cw(c56.064,56.553) 57.15,56.553
  Bottom Layer w1: R28.2@56.134,51.074 56.134,53.34 57.15,54.356 S1.13@57.15,58.039 ; 56.134,52.281 cw(c54.927,52.281) 55.78,51.428 ccw(c54.927,52.281) 56.134,52.281 ; 56.134,52.281 ccw(c57.341,52.281) 56.488,51.428 cw(c57.341,52.281) 56.134,52.281
NetR29_1: R29.1 R60.2 | length 8.2
  Bottom Layer w1: R60.2@58.574,18.662 ccw(c57.721,19.515) 58.928,19.515 ccw(c60.135,19.515) R60.2@59.282,18.662 ; R60.2@58.928,18.308 58.928,20.828 60.071,21.971 R29.1@60.071,22.713 ; 59.299,21.199 ccw(c58.389,22.109) R29.1@59.6,22.544